# Altium PCB MB1801.PcbDoc (part 2 of 4)
Units mm, origin at the board's own origin, x right, y up, seen from the top; angles counter-clockwise.
Board outline 70.1 x 57.1 mm, 4 copper layers (Top Layer, Signal Layer 1, Signal Layer 2, Bottom Layer), stack 1.614 mm thick; 219 components, 166 nets, 1002 pads, 473 vias.
Unrouted connection lines stored in the file: 2.
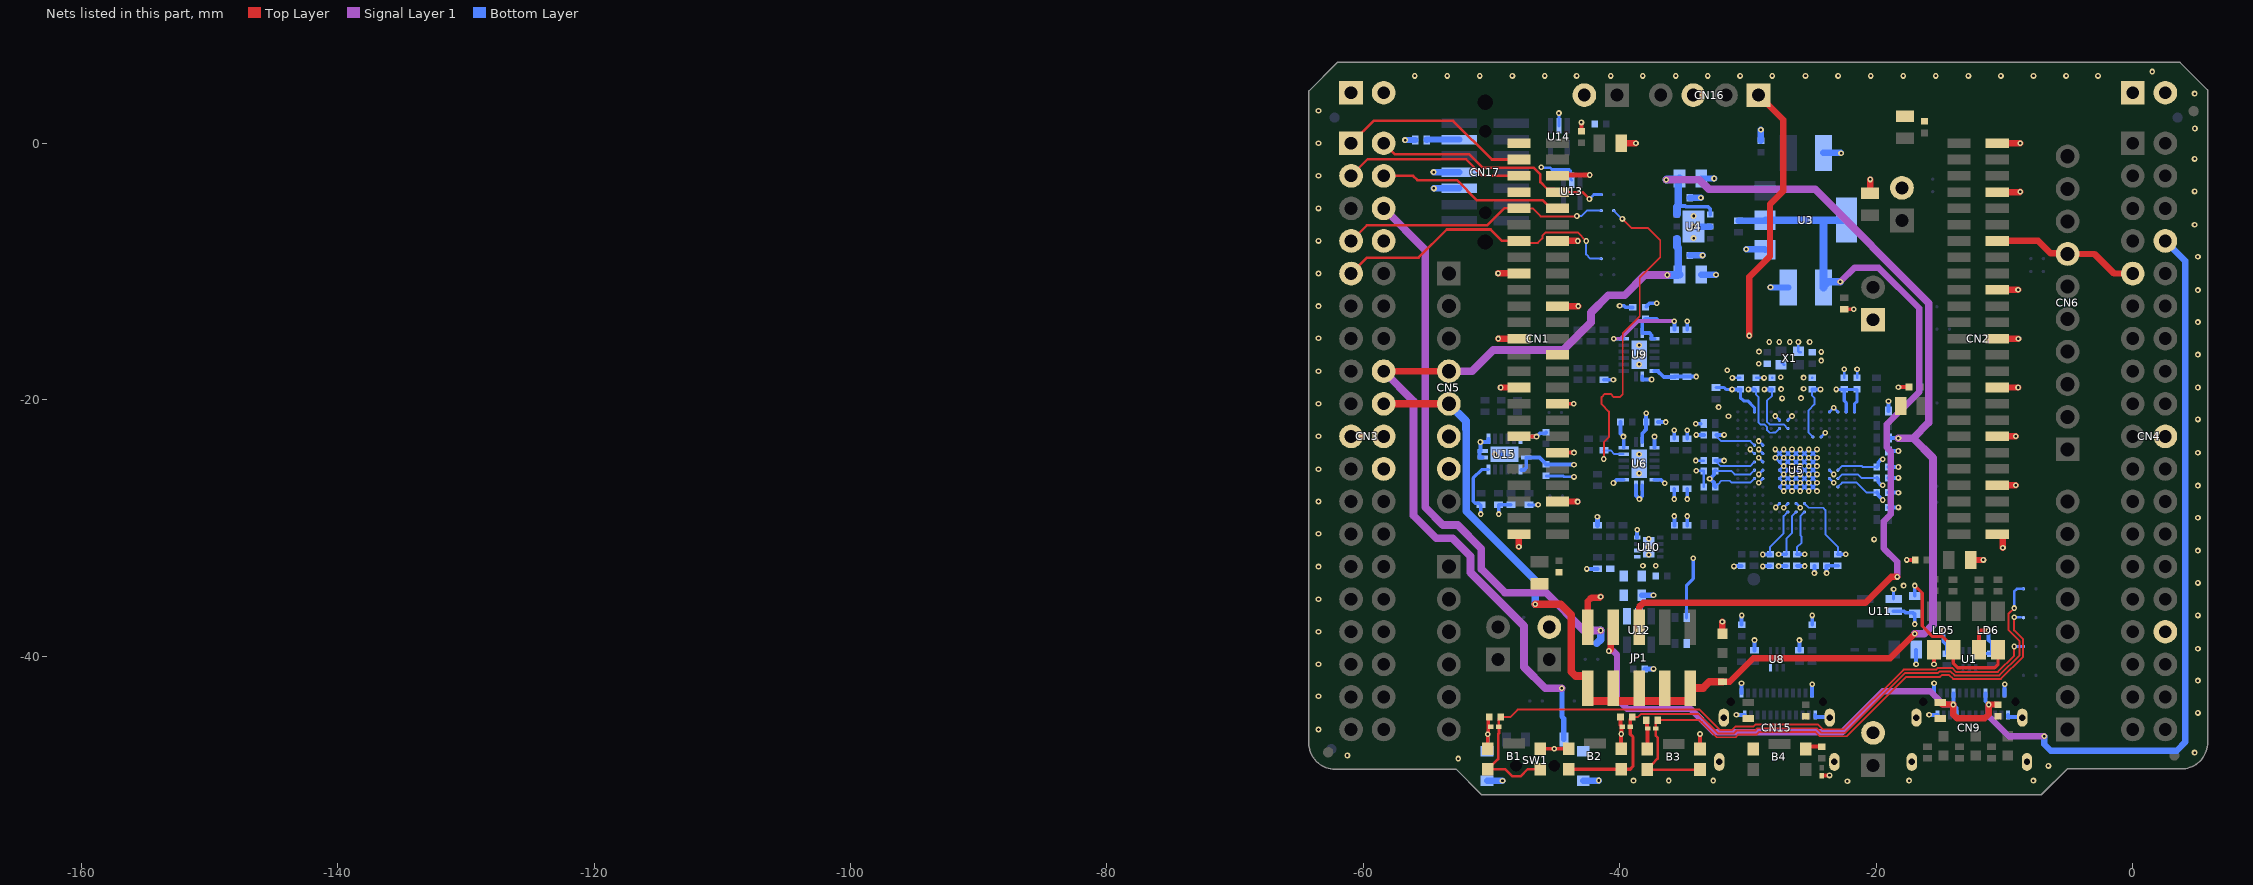
[diagram p4: the nets of this part, all layers, seen from the top]

## Part data
1 ?: library part MCD-01965
B1 B2 B3 B4: library part MCD-01485, "Microminiature Tact Switch for SMT - KMR 2 Series - 1.9 mm height", Manufacturer=C&K, Manufacturer_Part_Number=KMR231GLFS, Component_Country_Of_Origin=France, ComponentLink1URL=http://tunmcdsvn.tun.st.com/Component_Datasheet_Library/Trunk/Misc/C&K_tactile_switch_KMR_series, Internal_Part_Number=MCD-01485, Part_Preference=Recommended, Part_Type=Misc, Status=Released
C1 C2 C3 C4 C5 C6 C19 C21: library part MCD-01550, "Capacitor, MLCC, 1uF, 16V, X5R, +/-10%, 0805, T=0.85mm", Manufacturer=YAGEO, Manufacturer_Part_Number=CC0805KRX5R7BB105, Package=0805, Component_Country_Of_Origin=China, ComponentLink1URL=http://tunmcdsvn.tun.st.com/Component_Documentation_Library/Trunk/Capacitor/YAGEO_X5R_Series, Internal_Part_Number=MCD-01550, Order_Code_Digikey=311-3427-1-ND, Order_Code_Farnell=N/A, Order_Code_RS=N/A, Part_Preference=Recommended, Part_Type=Capacitor, Status=Released
C7 C8 C9 C10 C11 C18 C20 C22 C35 C58: library part MCD-02355, "Capacitor, MLCC, 100nF, 25V, X7R, +/-10%, 0402, T=0.5mm", Manufacturer=WALSIN, Manufacturer_Part_Number=0402B104K250CT, Package=0402, Component_Country_Of_Origin=Unknown, ComponentLink1URL=http://tunmcdsvn.tun.st.com/Component_Documentation_Library/Trunk/Capacitor/WALSIN_Monolithic_Series/, Internal_Part_Number=MCD-02355, Order_Code_Digikey=1292-1175-1-ND, Order_Code_Farnell=2496772, Order_Code_RS=176-3114, Part_Preference=Recommended, Part_Type=Capacitor
  C7 C8 C9 C10 C11 C18 C20 C22 C35: Status=Checked
  C58: ID=4461, ShowFields=YES, Status=Released
C12 C13 C14 C26 C27 C36: library part MCD-02198, "Capacitor, MLCC, 10nF, 50V, X7R, +/-10%, 0402, T=0.5mm", Manufacturer=YAGEO, Manufacturer_Part_Number=CC0402KRX7R9BB103, Package=0402, Component_Country_Of_Origin=China, ComponentLink1URL=http://tunmcdsvn.tun.st.com/Component_Documentation_Library/Trunk/Capacitor/YAGEO_X7R_Series, Internal_Part_Number=MCD-02198, Order_Code_Digikey=N/A, Order_Code_Farnell=N/A, Order_Code_RS=6169644, Part_Preference=Recommended, Part_Type=Capacitor, Status=Checked
C15 C23: library part MCD-00205, "Capacitor, MLCC, 100pF, 50V, NPO, +/-5%, 0402, T=0.5mm", Manufacturer=YAGEO, Manufacturer_Part_Number=CC0402JRNPO9BN101, Package=0402, Component_Country_Of_Origin=China, ComponentLink1URL=http://tunmcdsvn.tun.st.com/Component_Documentation_Library/Trunk/Capacitor/YAGEO_NP0_Series, Internal_Part_Number=MCD-00205, Order_Code_Digikey=311-1024-1-ND, Order_Code_Farnell=3019226RL, Order_Code_RS=N/A, Part_Preference=Recommended, Part_Type=Capacitor, Status=Released
C16 C17: library part MCD-00324, "Capacitor, Tantalum, 10uF, 25V, 2R5, +/-10%, Type_B (3528 metric), T=1.9mm", Manufacturer=AVX, Manufacturer_Part_Number=TAJB106K025RNJ, Package="3528 (metric)", Component_Country_Of_Origin="El Salvador", ComponentLink1URL=http://tunmcdsvn.tun.st.com/Component_Documentation_Library/Trunk/Capacitor/AVX_TAJ_Series, Internal_Part_Number=MCD-00324, Order_Code_Digikey=478-5257-1-ND, Order_Code_Farnell=2333024, Order_Code_RS=136-0159, Part_Preference=Recommended, Part_Type=Capacitor, Revision="July-2002: Re-released for DXP Platform.", Status=Released
C24 C25 C30 C31 C32 C37 C38 C39 C40 C41 C42 C43 C44 C45 C46 C47 C48 C49 C50 C51 C52 C53 C60 C61 C62: library part MCD-00006, "Capacitor, MLCC, 100nF, 16V, X7R, 10%, 0402, T=0.5mm", Alternate_Manufacturer=MURATA, Alternate_Manufacturer_Part_Number=GCM155R71C104KA55D, Manufacturer=YAGEO, Manufacturer_Part_Number=CC0402KRX7R7BB104, Package=C0402, ComponentLink1Description=Datasheet, ComponentLink1URL=http://tunmcdsvn.tun.st.com/Component_Datasheet_Library/Trunk/Capacitors/Yageo_Multilayer_Capacitor_X7R_series_100pF_to_22uF, Internal_Part_Number=MCD-00006, Part_Type=Capacitor, Provided_By=SUBCO, Status=Released
C28 C29: library part MCD-01774, "Capacitor, MLCC, 2.7pF, 50V, NPO, +/-0.1pF, 0402, T=0.5mm", Manufacturer=YAGEO, Manufacturer_Part_Number=CC0402BRNPO9BN2R7, Package=0402, Component_Country_Of_Origin=China, ComponentLink1URL=http://tunmcdsvn.tun.st.com/Component_Documentation_Library/Trunk/Capacitor/YAGEO_NP0_Series, Internal_Part_Number=MCD-01774, Order_Code_Digikey=311-1619-1-ND, Order_Code_Farnell=N/A, Order_Code_RS=N/A, Part_Preference=Recommended, Part_Type=Capacitor, Status=Released
C33 C56 C57: library part MCD-02606, "Capacitor, MLCC, 2.2uF, 6.3V, X5R, +/-10%, 0402, T=0.5mm", Manufacturer=YAGEO, Manufacturer_Part_Number=CC0402KRX5R5BB225, Package=0402, ComponentLink1URL=http://tunmcdsvn.tun.st.com/Component_Documentation_Library/Trunk/Capacitor/YAGEO_X5R_Series, Internal_Part_Number=MCD-02606, Order_Code_Digikey=311-1682-2-ND, Order_Code_Farnell=3366429, Order_Code_RS=1992205, Part_Preference=Recommended, Part_Type=Capacitor, Status=New
C34 C55 C59: library part MCD-00099, "Capacitor, MLCC, 10uF, 10V, X5R, +/-10%, 0603, T=0.8mm", Manufacturer=MURATA, Manufacturer_Part_Number=GRM188R61A106KE69D, Package=0603, Component_Country_Of_Origin=Japan, ComponentLink1URL=http://tunmcdsvn.tun.st.com/Component_Documentation_Library/Trunk/Capacitor/MURATA_GRM_Series, Internal_Part_Number=MCD-00099, Order_Code_Digikey=490-10474-1-ND, Order_Code_Farnell=2494233, Order_Code_RS=170-6168, Part_Preference=Recommended, Part_Type=Capacitor, Status=Released
  C59: ID=2770, ShowFields=YES
C54: library part MCD-02372, "Capacitor, MLCC, 2.2uF, 25V, X7R, +/-10%, 0805, T=1,25mm", Alternate_Manufacturer=N/A, Manufacturer=MURATA, Manufacturer_Part_Number=GRM21BR71E225KE11L, Package=C0805, Alternate_Manufacturer_Part_Number=N/A, ComponentLink1Description=Datasheet, ComponentLink1URL=http://tunmcdsvn.tun.st.com/Component_Documentation_Library/Trunk/Capacitor/MURATA_GRM_Series/GRM21BR71E225KE11, ECCN_EU=NEC, ECCN_US=EAR99, Internal_Part_Number=MCD-02372, Order_Code_Digikey=490-14467, Order_Code_Farnell=2688538, Order_Code_RS=N/A, Part_Preference=Recommended, Part_Type=Capacitor, Provided_By=SUBCO, Status=Checked
CN1 CN2: library part MCD-02705, "Socket, 25x2, 1.27mm, VR, SMD, T=2.29mm", Manufacturer=SAMTEC, Component_Country_Of_Origin=USA, ComponentLink1URL=http://tunmcdsvn.tun.st.com/Component_Documentation_Library/Trunk/Connector/SAMTEC_CLP_Series, ID=4811, Internal_Part_Number=MCD-02705, Manufacturer_Part_Number=CLP-125-02-F-D, Order_Code_Digikey=SAM1153-25-ND, Order_Code_Farnell=2779411, Order_Code_RS=180-3642, Part_Preference=Recommended, Part_Type=Connector, ShowFields=YES, Status=Checked
CN3 CN4: library part MCD-00213, "Header, 19x2, 2.54mm, VR, TH, T=5.84mm/10.16mm", Manufacturer=SAMTEC, Manufacturer_Part_Number=TSW-119-09-G-D, Component_Country_Of_Origin="China, Costa Rica, Malaysia, United States, Vietnam", ComponentLink1URL=http://tunmcdsvn.tun.st.com/Component_Documentation_Library/Trunk/Connector/SAMTEC_TSW_Series/, Internal_Part_Number=MCD-00213, Order_Code_Digikey=TSW-119-09-G-D-ND, Order_Code_Farnell=3664236, Order_Code_RS=N/A, Part_Preference=Recommended, Part_Type=Connector, Status=Released
CN5 CN8: library part MCD-01743, "Socket, 8x1, 2.54mm, VR, TH, T=8.51/2.64mm", Manufacturer=SAMTEC, Manufacturer_Part_Number=SSW-108-01-G-S, Component_Country_Of_Origin="China, Costa Rica, Malaysia, United States, Vietnam", ComponentLink1URL=http://tunmcdsvn.tun.st.com/Component_Documentation_Library/Trunk/Connector/SAMTEC_SSW-SSQ(TH)_Series/, Internal_Part_Number=MCD-01743, Order_Code_Digikey=SAM1209-08-ND, Order_Code_Farnell=1668363, Order_Code_RS=765-5698, Part_Preference=Recommended, Part_Type=Connector, Status=Released
CN6: library part MCD-02080, "Socket, 10x1, 2.54mm, VR, TH, T=8.51/2.64mm", Manufacturer=SAMTEC, Manufacturer_Part_Number=SSW-110-01-G-S, Component_Country_Of_Origin="China, Costa Rica, Malaysia, United States, Vietnam", ComponentLink1URL=http://tunmcdsvn.tun.st.com/Component_Documentation_Library/Trunk/Connector/SAMTEC_SSW-SSQ(TH)_Series/, Internal_Part_Number=MCD-02080, Order_Code_Digikey=SSW-110-01-G-S-LL-ND, Order_Code_Farnell=1668374, Order_Code_RS=765-5736, Part_Preference=Recommended, Part_Type=Connector, Status=Checked
CN7: library part MCD-02079, "Socket, 6x1, 2.54mm, VR, TH, T=8.51/2.64mm", Manufacturer=SAMTEC, Manufacturer_Part_Number=SSW-106-01-G-S, Component_Country_Of_Origin="China, Costa Rica, Malaysia, United States, Vietnam", ComponentLink1URL=http://tunmcdsvn.tun.st.com/Component_Documentation_Library/Trunk/Connector/SAMTEC_SSW-SSQ(TH)_Series/, Internal_Part_Number=MCD-02079, Order_Code_Digikey=SSW-106-01-G-S-LL-ND, Order_Code_Farnell=1668352, Order_Code_RS=765-5666, Part_Preference=Recommended, Part_Type=Connector, Status=Checked
CN9 CN15: library part MCD-03232, "USB_TypeC, 24 pins, RA, SMD, T=2.96mm", Manufacturer="AMPHENOL ICC", Manufacturer_Part_Number=12401826E412A, Component_Country_Of_Origin=China°, ComponentLink1URL=http://tunmcdsvn.tun.st.com/Component_Documentation_Library/Trunk/Connector/AMPHEMOL_ICC_12401826E412A, ID=5348, Internal_Part_Number=MCD-03232, Order_Code_Digikey=12401826E412ATR-ND, Order_Code_Farnell=3727763, Order_Code_RS=N/A, Part_Preference=Recommended, Part_Type=Connector, ShowFields=YES, Status=Released
CN10 CN11 CN12 CN13 CN14: library part MCD-00032, "Header, 2x1, 2.54mm, VR, TH, T=5.84mm/2.54mm", Manufacturer=SAMTEC, Manufacturer_Part_Number=TSW-102-07-G-S, Component_Country_Of_Origin="China, Costa Rica, Malaysia, United States, Vietnam", ComponentLink1URL=http://tunmcdsvn.tun.st.com/Component_Documentation_Library/Trunk/Connector/SAMTEC_TSW_Series/, Internal_Part_Number=MCD-00032, Order_Code_Digikey=SAM1029-02-ND, Order_Code_Farnell=2505044, Order_Code_RS=155-5312, Part_Preference=Recommended, Part_Type=Connector, Status=Released
CN16: library part MCD-00029, "Header, 4x1, 2,54mm, VR, TH, Height 5.84mm/2.54mm", Manufacturer=SAMTEC, Manufacturer_Part_Number=TSW-104-07-x-S, ComponentLink1Description=Datasheet, ComponentLink1URL=http://tunmcdsvn.tun.st.com/Component_Datasheet_Library/Trunk/Connectors/Samtec_TSW-HTSW-series, Internal_Part_Number=MCD-00029, Part_Type=Connector, Provided_By=SUBCO, Status=Released
CN17: library part MCD-01226, "Header, 5x2, 1.27mm, VR, SMD, T=5.97mm/3.05mm", Manufacturer=SAMTEC, Manufacturer_Part_Number=FTSH-105-01-L-DV-K, Component_Country_Of_Origin="China, Costa Rica, Malaysia, United States, Vietnam", ComponentLink1URL=http://tunmcdsvn.tun.st.com/Component_Documentation_Library/Trunk/Connector/SAMTEC_FTSH_Series/, Internal_Part_Number=MCD-01226, Order_Code_Digikey=SAM8799-ND, Order_Code_Farnell=2856879, Order_Code_RS=159-2332, Part_Preference=Recommended, Part_Type=Connector, Status=Released
D1: library part MCD-01677, "Small signal Schottky diodes", Manufacturer=STMICROELECTRONICS, Manufacturer_HQ_COO=EU, Manufacturer_Part_Number=BAT54KFILM, Package=SOD-523, BMS_Part_Number=9151123, Component_Country_Of_Origin=China, ComponentLink1URL=http://tunmcdsvn.tun.st.com/Component_Datasheet_Library/Trunk/Diodes/STM_SCHOTTKY_DOUBLE_BAT54SWFILM/STM_SCHOTTKY_DOUBLE_BAT54SWFILM.pdf, ID=3777, Internal_Part_Number=MCD-01677, Part_Preference=Recommended, Part_Type=Diode, ShowFields=YES, Status=Checked
HW1: library part MCD-02189, "Sticker product 25x5 mm", Manufacturer=N/A, Component_Country_Of_Origin=Unknown, ComponentLink1URL=N/A, ID=4289, Internal_Part_Number=MCD-02189, Manufacturer_Part_Number=N/A, Order_Code_Digikey=N/A, Order_Code_Farnell=N/A, Order_Code_RS=N/A, Part_Preference=Recommended, Part_Type=Misc, ShowFields=YES, Status=Released
HW2: library part MCD-02190, "Sticker board 25x5 mm", Manufacturer=N/A, ComponentLink1URL=N/A, Internal_Part_Number=MCD-02190, Manufacturer_Part_Number=N/A, Order_Code_Digikey=N/A, Order_Code_Farnell=N/A, Order_Code_RS=N/A, Part_Preference=Recommended, Part_Type=Misc, Status=Released
JP1: library part MCD-03317, "Header, 10x2, 2,00mm, h=7,04mm, VR, SMD", Manufacturer=SAMTEC, Manufacturer_Part_Number=TMM-105-06-T-D-SM, ComponentLink1URL=http://tunmcdsvn.tun.st.com/Component_Documentation_Library/Trunk/Connector/SAMTEC_TMMH(SMD)_Series, Full_Alternate_Internal_Part_Number=CHERNG-WEEI_P401-MG4GN-0404-10-R, ID=5433, Internal_Part_Number=MCD-03317, Order_Code_Digikey=TMM-105-06-T-D-SM-A-ND, Order_Code_Farnell=3662156, Order_Code_RS=N/A, Package=TMM-105-06-T-D-SM, Part_Preference=Recommended, Part_Type=Connector, ShowFields=YES, Status=New
JP2: library part MCD-01904, "Header, 2x1, 2.54mm, VR, TH, T=5.84mm/2.54mm", Manufacturer=SAMTEC, Manufacturer_Part_Number=TSW-102-07-G-S, Component_Country_Of_Origin="China, Costa Rica, Malaysia, United States, Vietnam", ComponentLink1URL=http://tunmcdsvn.tun.st.com/Component_Documentation_Library/Trunk/Connector/SAMTEC_TSW_Series/, Internal_Part_Number=MCD-01904, Order_Code_Digikey=SAM1029-02-ND, Order_Code_Farnell=2505044, Order_Code_RS=155-7981, Part_Preference=Recommended, Part_Type=Connector, Status=Checked
JP3 JP4: library part MCD-00045, "Header, 2x1, 2,54mm, VR, TH, Height 5.84mm/2.54mm", Alternate_Manufacturer="JIUBABA; LIANYI", Alternate_Manufacturer_Part_Number=313102S111116;313102S111116, Manufacturer=SAMTEC, Manufacturer_Part_Number=TSW-102-07-G-S, ComponentLink1Description=Datasheet, ComponentLink1URL=http://tunmcdsvn.tun.st.com/Component_Datasheet_Library/Trunk/Connectors/Samtec_TSW-HTSW-series, Internal_Part_Number=MCD-00045, Part_Preference=Recommended, Part_Type=Connector, Status=Released
LD1: library part MCD-00584, "LED Blue, 0603 SMD, 3.3 V Forward Voltage", Manufacturer=VISHAY, Manufacturer_Part_Number=VLMB1300-GS08, Package="LED 0603", Component_Country_Of_Origin=China, ComponentLink1URL=http://tunmcdsvn.tun.st.com/Component_Datasheet_Library/Trunk/Display/VISHAY_LED_BLUE_VLMB1300-GS08, Internal_Part_Number=MCD-00584, Order_Code_Digikey=VLMB1300-GS08CT-ND, Order_Code_Farnell=2251459, Order_Code_RS=7730430, Part_Preference=Recommended, Part_Type=Display, Status=Released
LD2 LD4: library part MCD-00589, "LED Green, 0603 SMD, Fw Voltage = 2.8V - 3.6V", Manufacturer=VISHAY, Manufacturer_Part_Number=VLMTG1300-GS08, Package="LED 0603", Component_Country_Of_Origin=China, ComponentLink1URL=http://tunmcdsvn.tun.st.com/Component_Datasheet_Library/Trunk/Display/VISHAY_LED_GREEN_VLMTG1300-GS08, Internal_Part_Number=MCD-00589, Order_Code_Digikey=VLMTG1300-GS08CT-ND, Order_Code_Farnell=2251490, Order_Code_RS=7730452, Part_Preference=Recommended, Part_Type=Display, Status=Released
LD3: library part MCD-00587, "LED Red, 0603 SMD, 2V Forward Voltage", Manufacturer=VISHAY, Manufacturer_Part_Number=VLMS1300-GS08, Package="LED 0603", Alternate_Internal_Part_Number=MCD-02401, Component_Country_Of_Origin=China, ComponentLink1URL=http://tunmcdsvn.tun.st.com/Component_Datasheet_Library/Trunk/Display/VISHAY_LED_RED_VLMS1300-GS08, Internal_Part_Number=MCD-00587, Order_Code_Digikey=VLMS1300-GS08CT-ND, Order_Code_Farnell=2078728, Part_Preference=Recommended, Part_Type=Display, Status=Released
LD5 LD6: library part MCD-02631, "LED Bicolor, Green/Red, 2V, 20mA,  4-PLCC", Manufacturer="WURTH ELEKTRONIK", Manufacturer_Part_Number=150141SV73110, Package=4-PLCC, ComponentLink1URL=http://tunmcdsvn.tun.st.com/Component_Documentation_Library/Trunk/Display/WURTH_ELEKTRONIK_150141SV73110, Internal_Part_Number=MCD-02631, Order_Code_Digikey=732-13404-2-ND, Order_Code_Farnell=2990869, Order_Code_RS=184-6963, Part_Preference=Recommended, Part_Type=Display, Status=Checked
R1: library part MCD-00061, "Resistor, 1K, 0402, +/-1%,1/16W", Manufacturer=YAGEO, Manufacturer_Part_Number=RC0402FR-071KL, Package=0402, Component_Country_Of_Origin=China, ComponentLink1URL=http://tunmcdsvn.tun.st.com/Component_Documentation_Library/Trunk/Resistor/YAGEO_RC_L_Series, Internal_Part_Number=MCD-00061, Order_Code_Digikey=311-1.00KLRCT-ND, Order_Code_Farnell=9239235, Order_Code_RS=N/A, Part_Preference=Recommended, Part_Type=Resistor, Status=Released
R2 R15 R16 R17 R18 R19 R24 R25 R26 R27 R28 R41 R59 R60 R61 R62 R63 R64 R65 R66 R67: library part MCD-00059, "Resistor,100K,0402,1%,1/16W", Alternate_Manufacturer=YAGEO, Alternate_Manufacturer_Part_Number=RT0402FRE07100KL, Manufacturer_Part_Number=RC0402FR-07100KL, Package=R0402, ComponentLink1Description=Yageo_Resistor_RC0402-series.pdf, ComponentLink1URL=http://tunmcdsvn.tun.st.com/Component_Datasheet_Library/Trunk/Resistors/Yageo_Resistor_RC0402-series, ECCN_EU=n/a, ECCN_US=n/a, Initial_Board_Reference=MB1274, Internal_Part_Number=MCD-00059, Manufacturer=YAGEO, Part_Type=Resistor, Provided_By=Subcon, Status=Released
R6 R7 R8: library part MCD-00507, "Resistor, 680R, 0402, +/-1%, 1/16W", Manufacturer=YAGEO, Manufacturer_Part_Number=RC0402FR-07680RL, Package=0402, Component_Country_Of_Origin=China, ComponentLink1URL=http://tunmcdsvn.tun.st.com/Component_Documentation_Library/Trunk/Resistor/YAGEO_RC_L_Series, Internal_Part_Number=MCD-00507, Order_Code_Digikey=311-680LRCT-ND, Order_Code_Farnell=9239219, Order_Code_RS=N/A, Part_Preference=Recommended, Part_Type=Resistor, Status=Released
R11 R12: library part MCD-00333, "Resistor, 5K1, 0402, +/-1%, 1/16W", Manufacturer=YAGEO, Manufacturer_Part_Number=RC0402FR-075K1L, Package=0402, Component_Country_Of_Origin=China, ComponentLink1URL=http://tunmcdsvn.tun.st.com/Component_Documentation_Library/Trunk/Resistor/YAGEO_RC_L_Series, Internal_Part_Number=MCD-00333, Order_Code_Digikey=311-5.10KLRCT-ND, Order_Code_Farnell=1458805, Order_Code_RS=N/A, Part_Preference=Recommended, Part_Type=Resistor, Status=Released
R13: library part MCD-00068, "Resistor, 1K5, 0402, +/-1%, 1/16W", Manufacturer=YAGEO, Manufacturer_Part_Number=RC0402FR-071K5L, Package=0402, Component_Country_Of_Origin=China, ComponentLink1URL=http://tunmcdsvn.tun.st.com/Component_Documentation_Library/Trunk/Resistor/YAGEO_RC_L_Series, ID=2524, Internal_Part_Number=MCD-00068, Order_Code_Digikey=311-1.50KLRCT-ND, Order_Code_Farnell=9239251, Order_Code_RS=N/A, Part_Preference=Recommended, Part_Type=Resistor, ShowFields=YES, Status=Released
R14 R23 R36 R42: library part MCD-00333, "Resistor, 5K1, 0402, +/-1%, 1/16W", Alternate_Manufacturer=N/A, Manufacturer=YAGEO, Manufacturer_Part_Number=RC0402FR-075K1L, Package=0402, Alternate_Manufacturer_Part_Number=N/A, ComponentLink1URL=http://tunmcdsvn.tun.st.com/Component_Documentation_Library/Trunk/Resistor/YAGEO_RC_L_Series, Internal_Part_Number=MCD-00333, Order_Code_Digikey=311-5.10KLRCT-ND, Order_Code_Farnell=1458805, Order_Code_RS=N/A, Part_Preference=Recommended, Part_Type=Resistor, Status=Released
R20 R22 R46 R47 R52 R53: library part MCD-00059, "Resistor, 100K, 0402, +/-1%, 1/16W", Manufacturer=YAGEO, Manufacturer_Part_Number=RC0402FR-07100KL, Package=0402, Component_Country_Of_Origin=China, ComponentLink1URL=http://tunmcdsvn.tun.st.com/Component_Documentation_Library/Trunk/Resistor/YAGEO_RC_L_Series, ID=2533, Internal_Part_Number=MCD-00059, Order_Code_Digikey=311-100KLRTR-ND, Order_Code_Farnell=2421891, Order_Code_RS=N/A, Part_Preference=Recommended, Part_Type=Resistor, ShowFields=YES, Status=Released
R21 R29 R55 R57: library part MCD-00052, "Resistor, 0R, 0402, +/-5%, 1/16W", Manufacturer=YAGEO, Manufacturer_Part_Number=RC0402JR-070RL, Package=0402, Component_Country_Of_Origin=China, ComponentLink1URL=http://tunmcdsvn.tun.st.com/Component_Documentation_Library/Trunk/Resistor/YAGEO_RC_L_Series, Internal_Part_Number=MCD-00052, Order_Code_Digikey=311-0.0JRCT-ND, Order_Code_Farnell=9232516RL, Order_Code_RS=618-5804, Part_Preference=Recommended, Part_Type=Resistor, Status=Released
R30: library part MCD-00185, "Resistor,3K,0402,1%,1/16W", Manufacturer=YAGEO, Manufacturer_Part_Number=RC0402FR-073KL, Package=R0402, ComponentLink1Description=Datasheet, ComponentLink1URL=http://tunmcdsvn.tun.st.com/Component_Datasheet_Library/Trunk/Resistors/Yageo_Resistor_RC0402-series, Internal_Part_Number=MCD-00185, Part_Type=Resistor, Provided_By=SUBCO, Status=Released
R31 R33 R38 R39: library part MCD-00053, "Resistor,10K,0402,1%,1/16W", Manufacturer=YAGEO, Manufacturer_Part_Number=RC0402FR-0710KL, Package=R0402, ComponentLink1Description=Datasheet, ComponentLink1URL=http://tunmcdsvn.tun.st.com/Component_Datasheet_Library/Trunk/Resistors/Yageo_Resistor_RC0402-series, Internal_Part_Number=MCD-00053, Part_Type=Resistor, Provided_By=SUBCO, Status=Released
R32 R34 R35 R37: library part MCD-00481, "Resistor,47R,0402,1%,1/16W", Manufacturer=YAGEO, Manufacturer_Part_Number=RC0402FR-0747RL, Package=R0402, ComponentLink1Description=Datasheet, ComponentLink1URL=http://tunmcdsvn.tun.st.com/Component_Datasheet_Library/Trunk/Resistors/Yageo_Resistor_RC0402-series, Initial_Board_Reference=MBxxxx, Internal_Part_Number=MCD-00481, Part_Type=Resistor, Provided_By=SUBCO, Status=Released
R40: library part MCD-00185, "Resistor, 3K, 0402, +/-1%, 1/16W", Manufacturer=YAGEO, Manufacturer_Part_Number=RC0402FR-073KL, Package=0402, Component_Country_Of_Origin=China, ComponentLink1URL=http://tunmcdsvn.tun.st.com/Component_Documentation_Library/Trunk/Resistor/YAGEO_RC_L_Series, Internal_Part_Number=MCD-00185, Order_Code_Digikey=311-3KLRCT-ND, Order_Code_Farnell=1458777, Order_Code_RS=N/A, Part_Preference=Recommended, Part_Type=Resistor, Status=Released
R43: library part MCD-00409, "Resistor, 1K8, 0402, +/-1%, 1/16W", Manufacturer=YAGEO, Manufacturer_Part_Number=RC0402FR-071K8L, Package=0402, Component_Country_Of_Origin=China, ComponentLink1URL=http://tunmcdsvn.tun.st.com/Component_Documentation_Library/Trunk/Resistor/YAGEO_RC_L_Series, Internal_Part_Number=MCD-00409, Order_Code_Digikey=311-1.80KLRCT-ND, Order_Code_Farnell=9239260, Order_Code_RS=N/A, Part_Preference=Recommended, Part_Type=Resistor, Status=Released
R44: library part MCD-00381, "Resistor, 1K3, 0402, +/-1%, 1/16W", Manufacturer=YAGEO, Manufacturer_Part_Number=RC0402FR-071K3L, Package=0402, Component_Country_Of_Origin=China, ComponentLink1URL=http://tunmcdsvn.tun.st.com/Component_Documentation_Library/Trunk/Resistor/YAGEO_RC_L_Series, ID=2898, Internal_Part_Number=MCD-00381, Order_Code_Digikey=YAG3036CT-ND, Order_Code_Farnell=1799176, Order_Code_RS=N/A, Part_Preference=Recommended, Part_Type=Resistor, ShowFields=YES, Status=Released
R45: library part MCD-02455, "Resistor, 3K9, 0402, +/-1%, 1/16W, +/-100ppm/°C", Manufacturer=YAGEO, Manufacturer_Part_Number=RC0402FR-073K9L, Package=0402, Component_Country_Of_Origin=China, ComponentLink1URL=http://tunmcdsvn.tun.st.com/Component_Documentation_Library/Trunk/Resistor/YAGEO_RC0402_Series, ID=4561, Internal_Part_Number=MCD-02455, Order_Code_Digikey=311-3.90KLRTR-ND, Order_Code_Farnell=9239308, Order_Code_RS=198-7783, Part_Preference=Recommended, Part_Type=Resistor, ShowFields=YES, Status=Released
R48 R49: library part MCD-02665, "Resistor, 1K, 0402, +/-0.1%, 1/16W, +/-25ppm/°C", Manufacturer=YAGEO, Manufacturer_Part_Number=RT0402BRD071KL, Package=0402, ComponentLink1URL=http://tunmcdsvn.tun.st.com/Component_Documentation_Library/Trunk/Resistor/YAGEO_RT_Series, Internal_Part_Number=MCD-02665, Order_Code_Digikey=YAG1386TR-ND, Order_Code_Farnell=3496475, Order_Code_RS=199-1298, Part_Preference=Recommended, Part_Type=Resistor, Status=Checked
  R48: Component_Country_Of_Origin=Taiwan, ID=4771, ShowFields=YES
R50 R51: library part MCD-00062, "Resistor, 330R, 0402, +/-1%, 1/16W", Manufacturer=YAGEO, Manufacturer_Part_Number=RC0402FR-07330RL, Package=0402, Component_Country_Of_Origin=China, ComponentLink1URL=http://tunmcdsvn.tun.st.com/Component_Documentation_Library/Trunk/Resistor/YAGEO_RC_L_Series, Internal_Part_Number=MCD-00062, Order_Code_Digikey=311-330LRCT-ND, Order_Code_Farnell=9239170, Order_Code_RS=N/A, Part_Preference=Recommended, Part_Type=Resistor, Status=Released
R54: library part MCD-00067, "Resistor, 100R, 0402, +/- 1%, 1/16W", Manufacturer=YAGEO, Manufacturer_Part_Number=RC0402FR-07100RL, Package=0402, Component_Country_Of_Origin=China, ComponentLink1URL=http://tunmcdsvn.tun.st.com/Component_Documentation_Library/Trunk/Resistor/YAGEO_RC_L_Series, ID=2527, Internal_Part_Number=MCD-00067, Order_Code_Digikey=311-100LRCT-ND, Order_Code_Farnell=9239111, Order_Code_RS=9239111, Part_Preference=Recommended, Part_Type=Resistor, ShowFields=YES, Status=Released
R56 R58: library part MCD-00455, "Resistor, 33R, 0402, +/-1%, 1/16W", Manufacturer=YAGEO, Manufacturer_Part_Number=RC0402FR-0733RL, Package=0402, Component_Country_Of_Origin=China, ComponentLink1URL=http://tunmcdsvn.tun.st.com/Component_Documentation_Library/Trunk/Resistor/YAGEO_RC_L_Series, ID=2821, Internal_Part_Number=MCD-00455, Order_Code_Digikey=311-33.0LRCT-ND, Order_Code_Farnell=9239057, Order_Code_RS=N/A, Part_Preference=Recommended, Part_Type=Resistor, ShowFields=YES, Status=Released
SB1 SB2 SB3 SB4 SB5 SB6 SB7 SB8 SB9 SB10 SB11 SB12 SB13 SB14 SB15 SB16 SB17 SB18 SB19 SB20 SB21 SB22 SB23 SB24 SB25 SB26 SB27 SB28 SB29 SB30 SB33: library part MCD-01618, "Solder Bridge 0402 ON", Manufacturer=YAGEO, Manufacturer_Part_Number=RC0402JR-070RL, Package=SB0402, Component_Country_Of_Origin=China, ComponentLink1URL=http://tunmcdsvn.tun.st.com/Component_Datasheet_Library/Trunk/Resistors/Yageo_Resistor_RC0402-series, Internal_Part_Number=MCD-01618, Order_Code_Digikey=311-0.0JRTR-ND, Order_Code_Farnell=2363467, Order_Code_RS=618-5804, Part_Preference=Recommended, Part_Type=Misc, Status=Released
SW1: library part MCD-03571, "Slide switch, 3x1, 1.5mm, RA, SMT, T=1.65mm", Manufacturer=C&K, Manufacturer_Part_Number=PCM12SMTR, Package=NA, ComponentLink1URL=http://tunmcdsvn.tun.st.com/Component_Documentation_Library/Trunk/Connector/C&K_PCM12SMTR/, ID=5687, Internal_Part_Number=MCD-03571, Order_Code_Digikey=401-2016-2-ND, Order_Code_Farnell=9575146, Order_Code_RS=793-1721, Part_Preference=Recommended, Part_Type=Connector, ShowFields=YES, Status=New
TP1: library part MCD-00074, "Test Point 1mm", Manufacturer=n/a, ComponentLink1Description=Datasheet, ComponentLink1URL=http://na, Internal_Part_Number=MCD-00074, Manufacturer_Part_Number=n/a, Part_Type=Mechanical, Provided_By=n/a, Status=Released
U1 U8: library part MCD-00649, "Common mode filter with ESD protection for USB 2.0 interface", Manufacturer=STMICROELECTRONICS, Manufacturer_HQ_COO=EU, BMS_Part_Number=9151138, Component_Country_Of_Origin=China, ComponentLink1URL=http://tunmcdsvn.tun.st.com/Component_Datasheet_Library/Trunk/Diodes/STM_ESD_ECMF02-2AMX6, Internal_Part_Number=MCD-00649, Manufacturer_Part_Number=ECMF02-2AMX6, Part_Preference=Recommended, Part_Type=Diode, Status=Released
  U8: ID=3094, ShowFields=YES
U2: library part MCD-01207, "High power Transient voltage suppressor:25V/35A EOS and ESD transients protection.", Manufacturer=STMICROELECTRONICS, Manufacturer_HQ_COO=EU, Manufacturer_Part_Number=ESDA25P35-1U1M, Package=QFN1610, BMS_Part_Number=9179045, Component_Country_Of_Origin=China, ComponentLink1URL=http://tunmcdsvn.tun.st.com/Component_Datasheet_Library/Trunk/Diodes/STM_ESD_ESDA25P35-1U1M, Internal_Part_Number=MCD-01207, Part_Preference=Recommended, Part_Type=Diode, Status=Released
U3: library part MCD-00088, "IC REG LDO 5V 0.8A SOT223", Manufacturer=STMICROELECTRONICS, Manufacturer_HQ_COO=EU, Package=SOT-223, BMS_Part_Number=9176133, Component_Country_Of_Origin=China, ComponentLink1URL=http://tunmcdsvn.tun.st.com/Component_Datasheet_Library/Trunk/IC/STM_LDO_LD1117, Internal_Part_Number=MCD-00088, Manufacturer_Part_Number=LD1117S50TR, Part_Preference=Recommended, Part_Type=IC, Status=Released
U4: library part MCD-00215, "Low quiescent current and low noise voltage regulators", Manufacturer=STMICROELECTRONICS, Manufacturer_HQ_COO=EU, Package="DFN6 3x3mm", BMS_Part_Number=9176126, Component_Country_Of_Origin=Malaysia, ComponentLink1URL=http://tunmcdsvn.tun.st.com/Component_Datasheet_Library/Trunk/IC/STM_LDO_LD39050PU, Internal_Part_Number=MCD-00215, Manufacturer_Part_Number=LD39050PU33R, Part_Preference=Recommended, Part_Type=IC, Status=Released
U5: library part MCD-02706, "MCU, ARM Cortex-M7 32-bit, 512KB Flash, 276KB RAM, With Crypto", Manufacturer=STMICROELECTRONICS, Manufacturer_Part_Number=STM32F723IEK6, Package=BGA-176, BMS_Part_Number=9175300, ComponentLink1URL=http://tunmcdsvn.tun.st.com/Component_Documentation_Library/Trunk/IC/STMICROELECTRONICS_STM32F723IEK6, ID=4812, Internal_Part_Number=MCD-02706, Order_Code_Digikey=497-17186-ND, Order_Code_Farnell=2725149, Order_Code_RS=135-8241, Part_Preference="Not recommended", Part_Type=IC, ShowFields=YES, Status=Checked